# Altium PCB 控制板.PcbDoc (part 2 of 12)
Units mil, origin at the board's own origin, x right, y up, seen from the top; angles counter-clockwise.
Board outline 8150.4 x 2246.9 mil, 6 copper layers (TopLayer, MidLayer1, MidLayer2, MidLayer3, MidLayer4, BottomLayer); 1570 components, 853 nets, 4888 pads, 1859 vias.
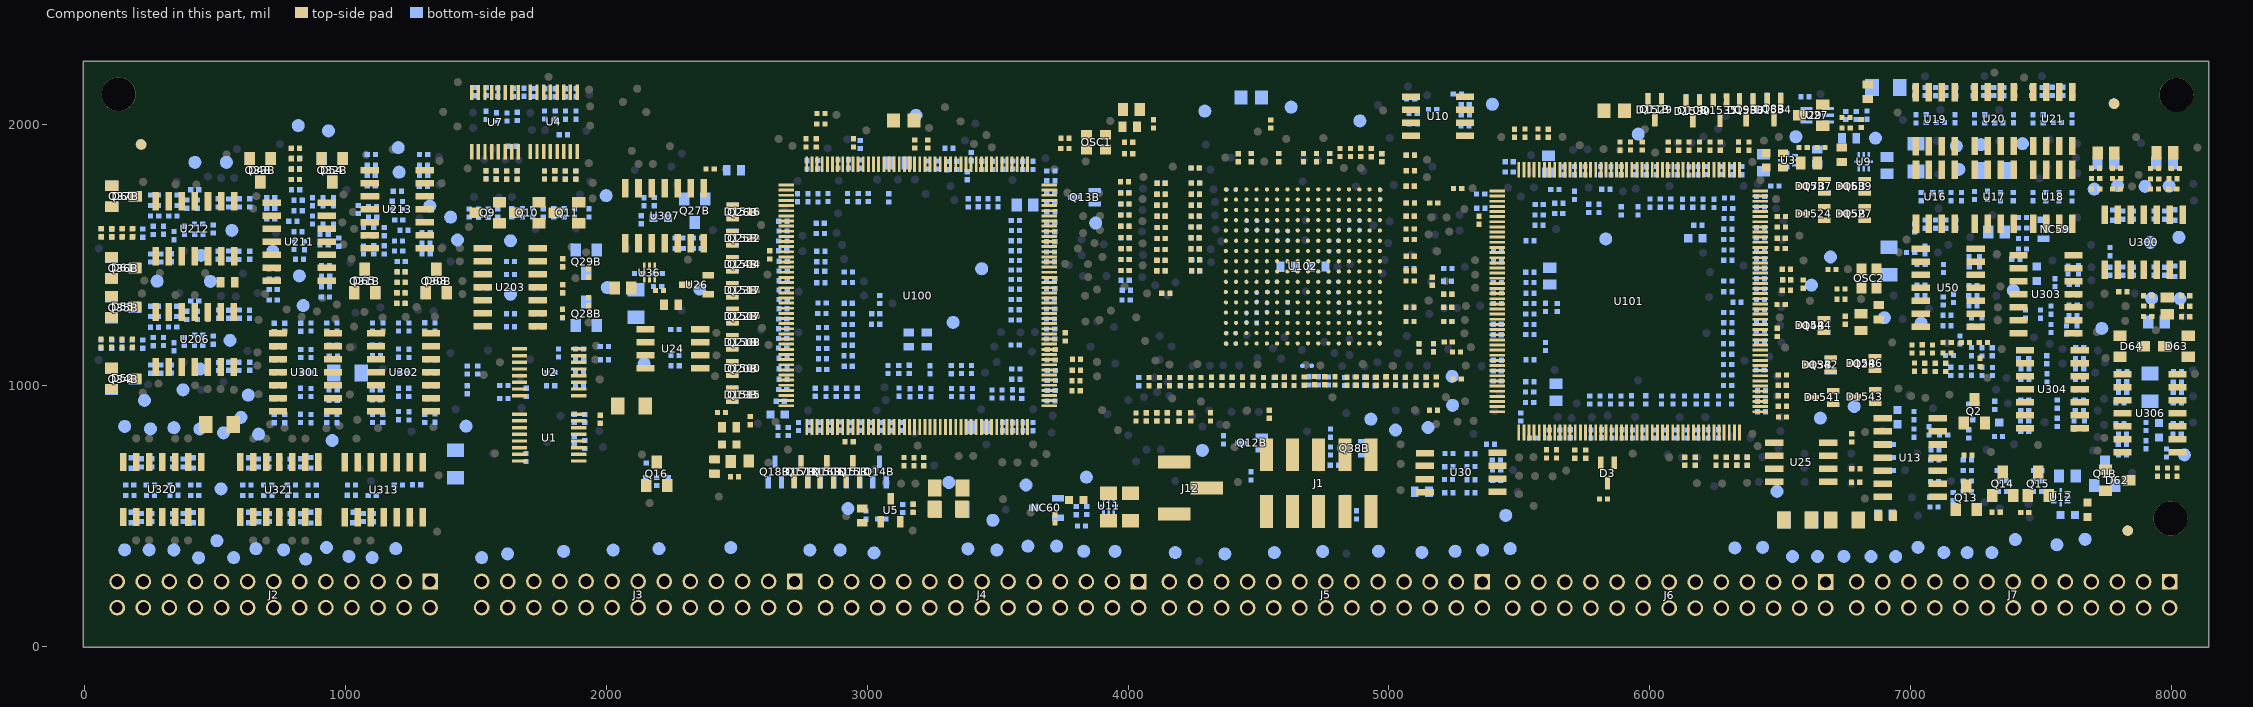
[diagram p6: the components of this part, seen from the top]

## Components (designator, comment, footprint, x,y, rotation, side; value= is the part's Value field where it differs from the comment) (continued)
R508 "4.75K" R0402#1 3583.6,1516.7 r180 bottom
R509 "4.75K" R0402#1 3583.6,1555.5 r180 bottom
R510 "4.75K" R0402#1 3584.4,1594.6 r180 bottom
R511 "4.75K" R0402#1 3583.6,1633 r180 bottom
R512 "4.75K" R0402#1 3403.6,988.4 r270 bottom
R513 "4.75K" R0402#1 3363,988 r270 bottom
R514 "4.75K" R0402#1 3322.8,988.8 r270 bottom
R515 "4.75K" R0402#1 3400.3,1077.1 r270 bottom
R516 "4.75K" R0402#1 3361.1,1076.9 r270 bottom
R517 "4.75K" R0402#1 3321.9,1076.3 r270 bottom
R518 "4.75K" R0402#1 3463.2,1716.3 r270 bottom
R519 "33Ω" R0402#1 3426.1,1716.3 r270 bottom
R520 "33Ω" R0402#1 3387.4,1715.9 r270 bottom
R521 "33Ω" R0402#1 3635.3,1859.6 r270 bottom
R522 "4.75K" R0402#1 3596.1,1860 r270 bottom
R523 "4.75K" R0402#1 3557.8,1860.9 r270 bottom
R524 "33Ω" R0402#1 3520.7,1860.5 r270 bottom
R525 "4.75K" R0402#1 3480.7,1859.6 r270 bottom
R526 "4.75K" R0402#1 3439.2,1859.8 r270 bottom
R527 "4.75K" R0402#1 3383.6,1820 r270 bottom
R528 "4.75K" R0402#1 3399,1893.4 r270 bottom
R529 "4.75K" R0402#1 3343.2,1860 r270 bottom
R530 "4.75K" R0402#1 3305.7,1858.8 r270 bottom
R531 "4.75K" R0402#1 3267.8,1860.9 r270 bottom
R532 "4.75K" R0402#1 3227.4,1861.3 r270 bottom
R533 "4.75K" R0402#1 3298.2,1909.6 r0 bottom
R534 "4.75K" R0402#1 3244.4,956.7 r90 bottom
R535 "4.75K" R0402#1 3204,958 r90 bottom
R536 "4.75K" R0402#1 3164,956.7 r90 bottom
R537 "4.75K" R0402#1 3121.9,959.2 r90 bottom
R538 "4.75K" R0402#1 3240.3,1045 r90 bottom
R539 "4.75K" R0402#1 3161.1,1046.3 r90 bottom
R540 "10K" R0402#1 3079.9,1045.9 r90 bottom
R541 "270Ω" R0402#1 3176.9,513.4 r90 bottom
R542 "2.43K" R0402#1 3136.5,513 r90 bottom
R543 "2K" R0402#1 3071.9,488.8 r180 bottom
R544 "100Ω" R0402#1 3130.3,827.5 r90 bottom
R545 "100Ω" R0402#1 3051.5,827.1 r90 bottom
R546 "100Ω" R0402#1 2932.4,827.1 r90 bottom
R547 "100Ω" R0402#1 2893.6,828.8 r90 bottom
R548 "100Ω" R0402#1 2774.4,828.4 r90 bottom
R549 "100Ω" R0402#1 2736.1,827.5 r90 bottom
R550 "10K" R0402#1 2657.8,808.8 r90 bottom
R551 "100Ω" R0402#1 2881.5,958.4 r90 bottom
R552 "100Ω" R0402#1 2801.1,958.8 r90 bottom
R553 "1K" R0402#1 3048.2,1345.5 r270 bottom
R554 "100Ω" R0402#1 2814,1061.3 r0 bottom
R555 "100Ω" R0402#1 2813.2,1102.5 r0 bottom
R556 "100Ω" R0402#1 2813.6,1142.5 r0 bottom
R557 "100Ω" R0402#1 2813.6,1182.5 r0 bottom
R558 "100Ω" R0402#1 2813.2,1223 r0 bottom
R559 "100Ω" R0402#1 2810.7,1276.7 r0 bottom
R560 "100Ω" R0402#1 2811.5,1316.3 r0 bottom
R561 "100Ω" R0402#1 2806.5,1393.8 r0 bottom
R562 "100Ω" R0402#1 2806.1,1438.4 r0 bottom
R563 "33Ω" R0402#1 2806.9,1474.2 r0 bottom
R564 "2K" R0402#1 2806.9,1515 r0 bottom
R565 "10K" R0402#1 2804.9,1583.4 r0 bottom
R566 "10K" R0402#1 2804.4,1622.1 r0 bottom
R567 "100Ω" R0402#1 2691.9,984.6 r180 bottom
R568 "100Ω" R0402#1 2692.8,1105 r180 bottom
R569 "100Ω" R0402#1 2691.5,1143.4 r180 bottom
R570 "100Ω" R0402#1 2691.5,1218 r180 bottom
R571 "100Ω" R0402#1 2693.2,1330 r180 bottom
R572 "100Ω" R0402#1 2693.4,1365.9 r180 bottom
R573 "33Ω" R0402#1 2693.2,1439.2 r180 bottom
R574 "4.75K" R0402#1 2693.2,1476.7 r180 bottom
R575 "2K" R0402#1 2691.9,1516.7 r180 bottom
R576 "33Ω" R0402#1 2692.4,1553.8 r180 bottom
R577 "10K" R0402#1 2692.8,1592.1 r180 bottom
R578 "10K" R0402#1 2692.4,1630 r180 bottom
R579 "4.75K" R0402#1 3003.6,1736.7 r270 bottom
R580 "10K" R0402#1 2965.3,1735.9 r270 bottom
R581 "4.75K" R0402#1 2924.9,1736.3 r270 bottom
R582 "10K" R0402#1 2849.4,1736.3 r270 bottom
R583 "4.75K" R0402#1 2772.8,1735.5 r270 bottom
R584 "4.75K" R0402#1 2732.4,1735.5 r270 bottom
R585 "4.75K" R0402#1 2973.2,1940 r270 bottom
R586 "4.75K" R0402#1 2928.4,1865.3 r270 bottom
R587 "4.75K" R0402#1 2888.2,1865 r270 bottom
R588 "33Ω" R0402#1 2810.3,1862.5 r270 bottom
R589 "33Ω" R0402#1 2769.4,1861.7 r270 bottom
R590 "10K" R0402#1 2332.8,1525 r0 bottom
R591 "10K" R0402#1 2333.2,1565.5 r0 bottom
R592 "100K" R0402#1 2262.8,1565.5 r0 bottom
R593 "1K" R0402#1 2134,1620 r90 bottom
R594 "10K" R0402#1 2144.4,1689.2 r90 bottom
R595 "2.43K" R0402#1 2237.4,615.5 r90 bottom
R596 "10K" R0402#1 2150.3,615.9 r90 bottom
R597 "10K" R0402#1 2184.4,703.4 r180 bottom
R598 "100Ω" R0402#1 1916.9,789.6 r270 bottom
R599 "100Ω" R0402#1 1916.9,889.2 r270 bottom
R600 "100Ω" R0402#1 1977.4,1099.2 r0 bottom
R601 "100Ω" R0402#1 1976.5,1149.6 r0 bottom
R602 "100Ω" R0402#1 1881.5,999.2 r0 bottom
R603 "100Ω" R0402#1 1770.7,999.2 r0 bottom
R604 "20K" R0402#1 1622.4,950 r180 bottom
R605 "100K" R0402#1 1622.4,1000 r180 bottom
R606 "10K" R0402#1 1831.9,1291.3 r270 bottom
R607 "10K" R0402#1 1832.4,1386.3 r270 bottom
R608 "4.75K" R0402#1 1721.5,1224.2 r0 bottom
R609 "4.75K" R0402#1 1721.5,1275 r0 bottom
R610 "7.5K" R0402#1 1721.5,1375 r0 bottom
R611 "10K" R0402#1 1721.9,1475.9 r0 bottom
R612 "100K" R0402#1 1616.9,1225.5 r0 bottom
R613 "100K" R0402#1 1616.5,1275 r0 bottom
R614 "12.1K" R0402#1 1616.5,1425.5 r0 bottom
R615 "10K" R0402#1 1511.9,1375 r0 bottom
R616 "10K" R0402#1 1511.9,1425.9 r0 bottom
R617 "10K" R0402#1 1512.4,1475.5 r0 bottom
R618 "10K" R0402#1 1511.9,1525.5 r0 bottom
R619 "10K" R0402#1 1877.8,1646.3 r90 bottom
R620 "2.43K" R0402#1 1838.2,1646.7 r90 bottom
R621 "10K" R0402#1 1797.8,1646.7 r90 bottom
R622 "10K" R0402#1 1758.2,1646.3 r90 bottom
R623 "2.43K" R0402#1 1678.6,1646.3 r90 bottom
R624 "10K" R0402#1 1637.4,1647.1 r90 bottom
R625 "10K" R0402#1 1547.4,1645.5 r90 bottom
R626 "2.43K" R0402#1 1509.4,1645.5 r90 bottom
R627 "10K" R0402#1 1474.4,1645.9 r90 bottom
R628 "15K" R0402#1 1883.6,2020.9 r90 bottom
R629 "15K" R0402#1 1843.6,2021.3 r90 bottom
R630 "15K" R0402#1 1803.6,2020.9 r90 bottom
R631 "15K" R0402#1 1763.2,2021.7 r90 bottom
R632 "100Ω" R0402#1 1658.6,2016.3 r90 bottom
R633 "100Ω" R0402#1 1618.6,2014.2 r90 bottom
R634 "100Ω" R0402#1 1578.2,2014.6 r90 bottom
R635 "100Ω" R0402#1 1538.2,2020.5 r90 bottom
R636 "10K" R0402#1 1506.9,1043.8 r90 bottom
R637 "10K" R0402#1 1466.5,968.4 r90 bottom
R638 "10K" R0402#1 1466.5,1044 r90 bottom
R639 "10K" R0402#1 1197.4,509.6 r270 bottom
R640 "6.04K" R0402#1 1106.9,509.2 r270 bottom
R641 "8.2K" R0402#1 1067.8,509.6 r270 bottom
R642 "6.04K" R0402#1 996.1,474.2 r0 bottom
R643 "8.2K" R0402#1 1006.5,579.2 r0 bottom
R644 "4.75K" R0402#1 1006.9,618.4 r0 bottom
R645 "15K" R0402#1 1256.9,619.6 r0 bottom
R646 "100Ω" R0402#1 1297.4,687.5 r90 bottom
R647 "10K" R0402#1 1197.4,688 r90 bottom
R648 "15K" R0402#1 1303.2,858 r90 bottom
R649 "10K" R0402#1 1344,949.6 r180 bottom
R650 "10K" R0402#1 1343.6,1149.2 r180 bottom
R651 "15K" R0402#1 1303.2,1240.5 r270 bottom
R652 "100Ω" R0402#1 1243.2,899.6 r270 bottom
R653 "100Ω" R0402#1 1203.2,900 r270 bottom
R654 "4.75K" R0402#1 1242.4,989.6 r270 bottom
R655 "4.75K" R0402#1 1203.2,990 r270 bottom
R656 "15K" R0402#1 1142.8,889.6 r270 bottom
R657 "10K" R0402#1 1101.9,944.2 r0 bottom
R658 "4.75K" R0402#1 1242.8,1108 r90 bottom
R659 "4.75K" R0402#1 1202.8,1108.4 r90 bottom
R660 "100Ω" R0402#1 1243.2,1208.8 r90 bottom
R661 "100Ω" R0402#1 1202.8,1208.8 r90 bottom
R662 "15K" R0402#1 1143.2,1239.6 r270 bottom
R663 "10K" R0402#1 1102.4,1155 r0 bottom
R664 "10K" R0402#1 1292.8,1545.9 r0 bottom
R665 "10K" R0402#1 1197.4,1314.6 r0 bottom
R666 "10K" R0402#1 1197.8,1355 r0 bottom
R667 "10K" R0402#1 1197.8,1435 r0 bottom
R668 "10K" R0402#1 1197.8,1475.5 r0 bottom
R669 "10K" R0402#1 1187.8,1515.5 r0 bottom
R670 "10K" R0402#1 1208.2,1595 r0 bottom
R671 "100K" R0402#1 1282.8,1764.2 r0 bottom
R672 "4.75K" R0402#1 1283.6,1805 r0 bottom
R673 "4.75K" R0402#1 1283.2,1845 r0 bottom
R674 "100K" R0402#1 1283.6,1885.5 r0 bottom
R675 "10K" R0402#1 1178.6,1675 r90 bottom
R676 "10K" R0402#1 1069,1504.2 r90 bottom
R677 "10K" R0402#1 1068.6,1574.2 r90 bottom
R678 "10K" R0402#1 1119.4,1645 r180 bottom
R679 "10K" R0402#1 1088.6,1725.5 r0 bottom
R680 "100K" R0402#1 1082.8,1765.5 r0 bottom
R681 "4.75K" R0402#1 1082.8,1805.5 r0 bottom
R682 "4.75K" R0402#1 1083.2,1845.9 r0 bottom
R683 "100K" R0402#1 1083.2,1886.3 r0 bottom
R684 "10K" R0402#1 1048.6,1659.2 r90 bottom
R685 "100Ω" R0402#1 997.4,688 r90 bottom
R686 "6.04K" R0402#1 898.2,473.4 r180 bottom
R687 "8.2K" R0402#1 827.4,508.8 r270 bottom
R688 "6.04K" R0402#1 787.4,508.8 r270 bottom
R689 "6.04K" R0402#1 707.4,509.6 r270 bottom
R690 "8.2K" R0402#1 666.9,509.2 r270 bottom
R691 "6.04K" R0402#1 596.5,474.2 r0 bottom
R692 "8.2K" R0402#1 856.9,578.8 r0 bottom
R693 "8.2K" R0402#1 856.5,618.8 r0 bottom
R694 "6.04K" R0402#1 866.5,723.8 r0 bottom
R695 "8.2K" R0402#1 827.4,688 r90 bottom
R696 "6.04K" R0402#1 787.4,687.5 r90 bottom
R697 "6.04K" R0402#1 706.5,688 r90 bottom
R698 "8.2K" R0402#1 666.5,687.5 r90 bottom
R699 "8.2K" R0402#1 636.9,578.6 r180 bottom
R700 "8.2K" R0402#1 637.4,618.4 r180 bottom
R701 "6.04K" R0402#1 627.8,723.4 r180 bottom
R702 "6.04K" R0402#1 447.4,473.8 r180 bottom
R703 "8.2K" R0402#1 437.4,578.8 r180 bottom
R704 "8.2K" R0402#1 437.4,618.8 r180 bottom
R705 "6.04K" R0402#1 415.7,723.4 r0 bottom
R706 "8.2K" R0402#1 376.5,478.4 r90 bottom
R707 "6.04K" R0402#1 336.9,477.5 r90 bottom
R708 "6.04K" R0402#1 257.1,478.4 r90 bottom
R709 "8.2K" R0402#1 217.4,478.4 r90 bottom
R710 "6.04K" R0402#1 177.8,473.8 r180 bottom
R711 "8.2K" R0402#1 188.6,578.4 r180 bottom
R712 "8.2K" R0402#1 188.2,618.4 r180 bottom
R713 "8.2K" R0402#1 376.5,718.8 r270 bottom
R714 "6.04K" R0402#1 336.9,719.2 r270 bottom
R715 "6.04K" R0402#1 256.9,719.2 r270 bottom
R716 "8.2K" R0402#1 216.9,719.2 r270 bottom
R717 "6.04K" R0402#1 146.9,723.4 r0 bottom
R718 "10K" R0402#1 968.2,943.8 r180 bottom
R719 "15K" R0402#1 927.8,889.2 r270 bottom
R720 "100Ω" R0402#1 867.8,888.8 r270 bottom
R721 "100Ω" R0402#1 827.4,889.6 r270 bottom
R722 "15K" R0402#1 766.9,888.8 r270 bottom
R723 "4.75K" R0402#1 867.8,988.8 r270 bottom
R724 "4.75K" R0402#1 827.4,989.6 r270 bottom
R725 "10K" R0402#1 726.5,948.8 r0 bottom
R726 "10K" R0402#1 936.9,1154.2 r0 bottom
R727 "4.75K" R0402#1 867.8,1107.5 r90 bottom
R728 "4.75K" R0402#1 827.8,1107.5 r90 bottom
R729 "15K" R0402#1 927.8,1208.4 r90 bottom
R730 "100Ω" R0402#1 867.4,1208.8 r90 bottom
R731 "100Ω" R0402#1 827.8,1208 r90 bottom
R732 "15K" R0402#1 766.9,1208 r90 bottom
R733 "10K" R0402#1 757.8,1148.8 r180 bottom
R734 "100K" R0402#1 632.4,1089.6 r270 bottom
R735 "4.75K" R0402#1 591.9,1089.2 r270 bottom
R736 "4.75K" R0402#1 551.9,1089.6 r270 bottom
R737 "100K" R0402#1 512.4,1088.8 r270 bottom
R738 "100K" R0402#1 906.9,1339.6 r0 bottom
R739 "4.75K" R0402#1 907.4,1378.8 r0 bottom
R740 "4.75K" R0402#1 907.8,1419.6 r0 bottom
R741 "100K" R0402#1 907.4,1459.6 r0 bottom
R742 "10K" R0402#1 902.8,1499.6 r0 bottom
R743 "10K" R0402#1 973.6,1534.2 r90 bottom
R744 "7.5K" R0402#1 953.2,1650.5 r270 bottom
R745 "7.5K" R0402#1 953.2,1720.5 r270 bottom
R746 "10K" R0402#1 902.4,1580 r0 bottom
R747 "12.1K" R0402#1 873.6,1619.2 r90 bottom
R748 "12.1K" R0402#1 873.6,1689.2 r90 bottom
R749 "7.5K" R0402#1 842.4,1520.9 r90 bottom
R750 "12K" R0402#1 833.2,1590 r180 bottom
R751 "10K" R0402#1 813.6,1630 r180 bottom
R752 "10K" R0402#1 834,1710 r180 bottom
R753 "10K" R0402#1 824,1750.5 r180 bottom
R754 "10K" R0402#1 823.6,1790 r180 bottom
R755 "10K" R0402#1 824,1871.3 r180 bottom
R756 "10K" R0402#1 823.6,1910.9 r180 bottom
R757 "100K" R0402#1 738.2,1328 r180 bottom
R758 "4.75K" R0402#1 738.2,1368.4 r180 bottom
R759 "4.75K" R0402#1 738.2,1408.4 r180 bottom
R760 "100K" R0402#1 737.8,1448 r180 bottom
R761 "7.5K" R0402#1 728.6,1679.6 r180 bottom
R762 "12.1K" R0402#1 728.6,1720.5 r180 bottom
R763 "100K" R0402#1 631.9,1288.8 r270 bottom
R764 "4.75K" R0402#1 592.4,1289.2 r270 bottom
R765 "4.75K" R0402#1 552.4,1288.8 r270 bottom
R766 "100K" R0402#1 512.4,1289.2 r270 bottom
R767 "10K" R0402#1 472.4,1284.6 r270 bottom
R768 "7.5K" R0402#1 421.5,1193.8 r0 bottom
R769 "12.1K" R0402#1 381.9,1153 r90 bottom
R770 "10K" R0402#1 341.9,1133 r90 bottom
R771 "7.5K" R0402#1 292.4,1047.5 r90 bottom
R772 "12.1K" R0402#1 252.4,1047.5 r90 bottom
R773 "10K" R0402#1 262.4,1152.8 r90 bottom
R774 "10K" R0402#1 222.4,1143 r90 bottom
R775 "10K" R0402#1 182.4,1143.4 r90 bottom
R776 "10K" R0402#1 103.2,1143 r90 bottom
R777 "10K" R0402#1 62.8,1143 r90 bottom
R778 "10K" R0402#1 406.1,1323.8 r0 bottom
R779 "10K" R0402#1 391.5,1253.4 r90 bottom
R780 "12.1K" R0402#1 352.4,1224.2 r180 bottom
R781 "12.1K" R0402#1 282.8,1223.4 r180 bottom
R782 "7.5K" R0402#1 352.8,1304.2 r180 bottom
R783 "7.5K" R0402#1 282.8,1304.2 r180 bottom
R784 "100K" R0402#1 632.4,1515 r270 bottom
R785 "4.75K" R0402#1 591.9,1514.6 r270 bottom
R786 "4.75K" R0402#1 552.4,1515.5 r270 bottom
R787 "100K" R0402#1 511.9,1515 r270 bottom
R788 "100K" R0402#1 632.4,1715.9 r270 bottom
R789 "4.75K" R0402#1 592.4,1715.9 r270 bottom
R790 "4.75K" R0402#1 552.4,1715.5 r270 bottom
R791 "100K" R0402#1 511.9,1715.9 r270 bottom
R792 "10K" R0402#1 472.4,1710.5 r270 bottom
R793 "10K" R0402#1 421.1,1619.6 r0 bottom
R794 "10K" R0402#1 437.4,1750.9 r180 bottom
R795 "10K" R0402#1 391.9,1710.9 r270 bottom
R796 "10K" R0402#1 322.4,1730.9 r0 bottom
R797 "10K" R0402#1 251.9,1730.9 r0 bottom
R798 "10K" R0402#1 341.9,1559.2 r90 bottom
R799 "10K" R0402#1 292.4,1473.4 r90 bottom
R800 "10K" R0402#1 262.8,1579.6 r90 bottom
R801 "10K" R0402#1 222.8,1568.8 r90 bottom
R802 "10K" R0402#1 182.4,1568.8 r90 bottom
R803 "10K" R0402#1 103.6,1568.4 r90 bottom
R804 "10K" R0402#1 63.6,1569.6 r90 bottom
TP1 "" SMD1#2 2476.9,378.8 r0 bottom
TP2 "" SMD1#2 2780.3,369.2 r0 bottom
TP3 "" SMD1#2 2144.9,1083.8 r0 bottom
TP4 "" SMD1#2 2896.1,369.6 r0 bottom
TP5 "" SMD1#2 4181.1,359.6 r0 bottom
TP6 "" SMD1#2 3026.1,358.4 r0 bottom
TP7 "" SMD1#2 4371.1,354.6 r0 bottom
TP8 "" SMD1#2 5396.9,2078.4 r0 bottom
TP9 "" SMD1#2 4960.3,364.6 r0 bottom
TP10 "" SMD1#2 4561.1,359.6 r0 bottom
TP11 "" SMD1#2 3609,618.8 r0 bottom
TP12 "" SMD1#2 5359.4,369.2 r0 bottom
TP13 "" SMD1#2 4746.1,363.8 r0 bottom
TP14 "" SMD1#2 6488.2,594.2 r0 bottom
TP15 "" SMD1#2 7919,1549.2 r0 bottom
TP16 "" SMD1#2 2926.1,528.4 r0 bottom
TP17 "" SMD1#2 5254.4,364.6 r0 bottom
TP18 "" SMD1#2 6784,919.6 r0 bottom
TP19 "" SMD1#2 6560.3,1953.8 r0 bottom
TP20 "" SMD1#2 6865.7,1948.8 r0 bottom
TP21 "" SMD1#2 8050.3,734.2 r0 bottom
TP22 "" SMD1#2 6848.6,344.6 r0 bottom
TP23 "" SMD1#2 6943.2,344.6 r0 bottom
TP24 "" SMD1#2 6654.4,875 r0 bottom
TP25 "" SMD1#2 3875.7,1623 r0 bottom
TP26 "" SMD1#2 5448.2,502.5 r0 bottom
TP27 "" SMD1#2 1621.1,354.6 r0 bottom
TP28 "" SMD1#2 1836.1,364.2 r0 bottom
TP29 "" SMD1#2 2201.5,374.6 r0 bottom
TP30 "" SMD1#2 2026.1,369.2 r0 bottom
TP31 "" SMD1#2 6433.2,379.6 r0 bottom
TP32 "" SMD1#2 822.8,1420.5 r0 bottom
TP33 "" SMD1#2 837.4,1306.7 r0 bottom
TP34 "" SMD1#2 5244.4,924.2 r0 bottom
TP35 "" SMD1#2 1402.8,1645.5 r0 bottom
TP36 "" SMD1#2 1323.2,1688.4 r0 bottom
TP37 "" SMD1#2 1205.3,1818 r0 bottom
TP38 "" SMD1#2 4625.3,2067.5 r0 bottom
TP39 "" SMD1#2 5025.7,829.4 r0 bottom
TP40 "" SMD1#2 6744.4,345 r0 bottom
TP41 "" SMD1#2 5242.4,1035 r0 bottom
TP42 "" SMD1#2 5465.3,374.6 r0 bottom
TP43 "" SMD1#2 5150.3,839.2 r0 bottom
TP44 "" SMD1#2 2357.4,1370 r0 bottom
TP45 "" SMD1#2 3186.9,2035.9 r0 bottom
TP46 "" SMD1#2 7561.1,389.6 r0 bottom
TP47 "" SMD1#2 556.9,1173 r0 bottom
TP48 "" SMD1#2 599,878 r0 bottom
TP49 "" SMD1#2 376.9,983.4 r0 bottom
TP50 "" SMD1#2 626.9,963.4 r0 bottom
TP51 "" SMD1#2 720.7,1514.6 r0 bottom
TP52 "" SMD1#2 531.9,818.8 r0 bottom
TP53 "" SMD1#2 4284.9,751.7 r0 bottom
TP54 "" SMD1#2 4931.1,871.3 r0 bottom
TP55 "" SMD1#2 1999,1728 r0 bottom
TP58 "" SMD1#2 481.5,1399.6 r0 bottom
TP59 "" SMD1#2 446.1,1499.2 r0 bottom
TP60 "" SMD1#2 564,1595 r0 bottom
TP61 "" SMD1#2 543.2,1855.9 r0 bottom
TP64 "" SMD1#2 1201.9,1912.1 r0 bottom
TP150 "" SMD1#2 7429.4,1927.5 r0 bottom
TP151 "" SMD1#2 7269.9,1923.4 r0 bottom
TP152 "" SMD1#2 7175.7,1918 r0 bottom
TP153 "" SMD1#2 7185.3,1828.8 r0 bottom
TP191 "" SMD1#2 3329.4,1242.1 r0 bottom
TP204 "" SMD1#2 1521.9,340 r0 bottom
TP209 "" SMD1#2 846.9,334.6 r0 bottom
TP213 "" SMD1#2 7394,1364.6 r0 bottom
TP214 "" SMD1#2 7040.7,1239.6 r0 bottom
TP277 "" SMD1#2 7991.5,1764.6 r0 bottom
TP278 "" SMD1#2 7899.4,1763.4 r0 bottom
TP279 "" SMD1#2 7704.4,1753 r0 bottom
TP280 "" SMD1#2 7794.4,1766.3 r0 bottom
TP281 "" SMD1#2 8033.4,1333 r0 bottom
TP282 "" SMD1#2 7924.4,1333.8 r0 bottom
TP294 "" SMD1#2 229,943 r0 bottom
TP316 "" SMD1#2 6693.2,1493 r0 bottom
TP317 "" SMD1#2 8029,1568.4 r0 bottom
TP318 "" SMD1#2 4294.4,2052.1 r0 bottom
TP319 "" SMD1#2 6620.3,1385 r0 bottom
TP500 "" SMD1#2 1101.9,340 r0 bottom
TP501 "" SMD1#2 1192.4,374.6 r0 bottom
TP502 "" SMD1#2 1012.4,345 r0 bottom
TP503 "" SMD1#2 926.9,379.2 r0 bottom
TP504 "" SMD1#2 341.9,838.4 r0 bottom
TP505 "" SMD1#2 442.4,1063.4 r0 bottom
TP506 "" SMD1#2 251.9,833.8 r0 bottom
TP507 "" SMD1#2 762.4,370 r0 bottom
TP508 "" SMD1#2 656.3,374.6 r0 bottom
TP510 "" SMD1#2 571.1,340 r0 bottom
TP511 "" SMD1#2 436.5,339.6 r0 bottom
TP512 "" SMD1#2 152.8,369.8 r0 bottom
TP513 "" SMD1#2 246.9,370 r0 bottom
TP514 "" SMD1#2 506.5,405 r0 bottom
TP515 "" SMD1#2 948.6,789.2 r0 bottom
TP516 "" SMD1#2 666.5,813.4 r0 bottom
TP517 "" SMD1#2 341.9,369.6 r0 bottom
TP1100 "" SMD1#2 5126.5,360.5 r0 bottom
TP1101 "" SMD1#2 3950.3,364.2 r0 bottom
TP1102 "" SMD1#2 1461.9,844.2 r0 bottom
TP1103 "" SMD1#2 3313.2,628.4 r0 bottom
TP1104 "" SMD1#2 3840.3,648.8 r0 bottom
TP1105 "" SMD1#2 3616.1,384.2 r0 bottom
TP1106 "" SMD1#2 5831.5,1562.1 r0 bottom
TP1107 "" SMD1#2 3481.5,483.4 r0 bottom
TP1120 "" SMD1#2 6643.4,344.4 r0 bottom
TP1121 "" SMD1#2 6547.8,344.6 r0 bottom
TP1122 "" SMD1#2 3830.3,364.6 r0 bottom
TP1123 "" SMD1#2 3496.9,369.2 r0 bottom
TP1124 "" SMD1#2 3726.1,384.2 r0 bottom
TP1125 "" SMD1#2 3386.1,373.8 r0 bottom
TP1202 "" SMD1#2 1632.4,1350 r0 bottom
TP1203 "" SMD1#2 1632.4,1555 r0 bottom
TP1500 "" SMD1#2 5956.1,1963.8 r0 bottom
TP1502 "" SMD1#2 7028.6,379.6 r0 bottom
TP1503 "" SMD1#2 7127.8,360 r0 bottom
TP1504 "" SMD1#2 7217.4,359.6 r0 bottom
TP1505 "" SMD1#2 7401.9,409.6 r0 bottom
TP1506 "" SMD1#2 7311.9,359.6 r0 bottom
TP1507 "" SMD1#2 153.2,843.4 r0 bottom
TP1508 "" SMD1#2 277.4,1400 r0 bottom
TP1509 "" SMD1#2 441.1,833.4 r0 bottom
TP1510 "" SMD1#2 422.4,1855.9 r0 bottom
TP1511 "" SMD1#2 1429,1558 r0 bottom
TP1512 "" SMD1#2 934.4,1976.3 r0 bottom
TP1513 "" SMD1#2 522.4,603.8 r0 bottom
TP1514 "" SMD1#2 818.6,1996.7 r0 bottom
TP1515 "" SMD1#2 2003.2,1375.5 r0 bottom
TP1516 "" SMD1#2 6899.9,1260 r0 bottom
TP1517 "" SMD1#2 7669.4,410.5 r0 bottom
TP1518 "" SMD1#2 7733.6,1219.2 r0 bottom
TP1520 "" SMD1#2 6326.5,377.5 r0 bottom
TP1521 "" SMD1#2 3439,1447.8 r0 bottom
TP1522 "" SMD1#2 4889,2014.6 r0 bottom
U1 "74HC4051D" SOP16 1666.5,890 r90 top
U2 "74HC4051D" SOP16 1666.5,1140.5 r90 top
U3 "NC" SOP8 6556.9,1883.6 r180 bottom
U4 "74HC4051D" SOP16 1887.8,2124.6 r0 top
U5 "TL431BQDBZR" "SOT23-3 - duplicate" 3052.8,477.5 r0 top
U7 "74HC4051D" SOP16 1662.8,2123.8 r0 top
U9 "12" SOP8 6801.1,1884.8 r270 bottom
U10 "STM706RM6F" "SOP8 - duplicate"#1 5291.9,1958 r270 top
U11 "30" SOP8 3906.1,565.5 r270 bottom
U12 "30" SOP8 7549,552.1 r0 bottom
U13 "NC" SOP14 7104.4,574.2 r90 top
U16 "LM211DT" "SOP8 - duplicate"#1 7021.1,1620.5 r180 top
U17 "LM211DT" "SOP8 - duplicate"#1 7395.3,1827.1 r0 top
U18 "LM211DT" "SOP8 - duplicate"#1 7619.4,1827.1 r0 top
U19 "LM211DT" "SOP8 - duplicate"#1 7170.3,2124.2 r0 top
U20 "LM211DT" "SOP8 - duplicate"#1 7395.3,2125.5 r0 top
U21 "LM211DT" "SOP8 - duplicate"#1 7619.9,2125.5 r0 top
U24 "M24128-BWMN6TP" "SOP8 - duplicate"#2 2149.9,1215.9 r90 top
U25 "M24128-BWMN6TP" "SOP8 - duplicate"#1 6477.8,780.5 r90 top
U26 "N" "SOT23-3 - duplicate" 2390.1,1349.2 r90 top
U27 "NC" SOT23-5 6682.8,2061.7 r180 bottom
U29 "LM4040AIM3-2.5" SOT23-3 6663.6,1996.7 r90 top
U30 "NC" "SOP8 - duplicate"#3 5416.5,592.5 r270 top
U36 "30" SOP8 2184.9,1459.8 r270 top
U50 "LM2901DR" SOP14 7039.4,1524.6 r270 top
U100 "STM32F745IET7" SOP176 2689,1768.8 r0 top
U101 "STM32F745IET7" SOP176 6424,899.6 r180 top
U102 "EF2L45BG256H" BGA256x16 4965.5,1161.5 r180 top
U203 "LM2901DR" SOP14 1736.9,1226.7 r90 top
U206 "LM2901DR" SOP14 571.9,1282.1 r180 top
U211 "LM2901DR" SOP14 927.4,1401.3 r90 top
U212 "LM2901DR" SOP14 572.4,1706.3 r180 top
U213 "LM2901DR" SOP14 1093.2,1825.5 r270 top
U300 "TS9224IDT" SOP14 7744.4,1444.2 r0 top
U301 "TL084AIDR" SOP14 740.7,1200.9 r270 top
U302 "TL084AIDR" SOP14 1116.9,1201.3 r270 top
U303 "TL084AIDR" SOP14 7414.4,1499.6 r270 top
U304 "TL084AIDR" SOP14 7438.6,1135 r270 top
U306 "TL084AIDR" SOP14 8024,744.2 r90 top
U307 "TL084AIDR" SOP14 2372.8,1756.7 r180 top
U313 "TL084AIDR" SOP14 996.5,495 r0 top
U320 "TL084AIDR" SOP14 146.9,496.3 r0 top
U321 "TL084AIDR" SOP14 595.7,495.9 r0 top

## Footprints (in the part's own frame and the unit in brackets; to place one, negate y for a bottom-side part, rotate by r counter-clockwise, add the part's x,y. Pads: shape width x height; smd on the part's side, far side on the other; paste and mask are expansions set on the pad)
BGA256x16 [mil]
  round 16 smd: A1(0,0) A2(39.37,0) A3(78.74,0) A4(118.11,0) A5(157.48,0) A6(196.85,0) A7(236.22,0) A8(275.59,0) A9(314.96,0) A10(354.33,0) A11(393.7,0) A12(433.07,0) A13(472.44,0) A14(511.81,0) A15(551.18,0) A16(590.55,0) B1(0,-39.37) B2(39.37,-39.37) B3(78.74,-39.37) B4(118.11,-39.37) B5(157.48,-39.37) B6(196.85,-39.37) B7(236.22,-39.37) B8(275.59,-39.37) B9(314.96,-39.37) B10(354.33,-39.37) B11(393.7,-39.37) B12(433.07,-39.37) B13(472.44,-39.37) B14(511.81,-39.37) B15(551.18,-39.37) B16(590.55,-39.37) C1(0,-78.74) C2(39.37,-78.74) C3(78.74,-78.74) C4(118.11,-78.74) C5(157.48,-78.74) C6(196.85,-78.74) C7(236.22,-78.74) C8(275.59,-78.74) C9(314.96,-78.74) C10(354.33,-78.74) C11(393.7,-78.74) C12(433.07,-78.74) C13(472.44,-78.74) C14(511.81,-78.74) C15(551.18,-78.74) C16(590.55,-78.74) D1(0,-118.11) D2(39.37,-118.11) D3(78.74,-118.11) D4(118.11,-118.11) D5(157.48,-118.11) D6(196.85,-118.11) D7(236.22,-118.11) D8(275.59,-118.11) D9(314.96,-118.11) D10(354.33,-118.11) D11(393.7,-118.11) D12(433.07,-118.11) D13(472.44,-118.11) D14(511.81,-118.11) D15(551.18,-118.11) D16(590.55,-118.11) E1(0,-157.48) E2(39.37,-157.48) E3(78.74,-157.48) E4(118.11,-157.48) E5(157.48,-157.48) E6(196.85,-157.48) E7(236.22,-157.48) E8(275.59,-157.48) E9(314.96,-157.48) E10(354.33,-157.48) E11(393.7,-157.48) E12(433.07,-157.48) E13(472.44,-157.48) E14(511.81,-157.48) E15(551.18,-157.48) E16(590.55,-157.48) F1(0,-196.85) F2(39.37,-196.85) F3(78.74,-196.85) F4(118.11,-196.85) F5(157.48,-196.85) F6(196.85,-196.85) F7(236.22,-196.85) F8(275.59,-196.85) F9(314.96,-196.85) F10(354.33,-196.85) F11(393.7,-196.85) F12(433.07,-196.85) F13(472.44,-196.85) F14(511.81,-196.85) F15(551.18,-196.85) F16(590.55,-196.85) G1(0,-236.22) G2(39.37,-236.22) G3(78.74,-236.22) G4(118.11,-236.22) G5(157.48,-236.22) G6(196.85,-236.22) G7(236.22,-236.22) G8(275.59,-236.22) G9(314.96,-236.22) G10(354.33,-236.22) G11(393.7,-236.22) G12(433.07,-236.22) G13(472.44,-236.22) G14(511.81,-236.22) G15(551.18,-236.22) G16(590.55,-236.22) H1(0,-275.59) H2(39.37,-275.59) H3(78.74,-275.59) H4(118.11,-275.59) H5(157.48,-275.59) H6(196.85,-275.59) H7(236.22,-275.59) H8(275.59,-275.59) H9(314.96,-275.59) H10(354.33,-275.59) H11(393.7,-275.59) H12(433.07,-275.59) H13(472.44,-275.59) H14(511.81,-275.59) H15(551.18,-275.59) H16(590.55,-275.59) J1(0,-314.96) J2(39.37,-314.96) J3(78.74,-314.96) J4(118.11,-314.96) J5(157.48,-314.96) J6(196.85,-314.96) J7(236.22,-314.96) J8(275.59,-314.96) J9(314.96,-314.96) J10(354.33,-314.96) J11(393.7,-314.96) J12(433.07,-314.96) J13(472.44,-314.96) J14(511.81,-314.96) J15(551.18,-314.96) J16(590.55,-314.96) K1(0,-354.33) K2(39.37,-354.33) K3(78.74,-354.33) K4(118.11,-354.33) K5(157.48,-354.33) K6(196.85,-354.33) K7(236.22,-354.33) K8(275.59,-354.33) K9(314.96,-354.33) K10(354.33,-354.33) K11(393.7,-354.33) K12(433.07,-354.33) K13(472.44,-354.33) K14(511.81,-354.33) K15(551.18,-354.33) K16(590.55,-354.33) L1(0,-393.7) L2(39.37,-393.7) L3(78.74,-393.7) L4(118.11,-393.7) L5(157.48,-393.7) L6(196.85,-393.7) L7(236.22,-393.7) L8(275.59,-393.7) L9(314.96,-393.7) L10(354.33,-393.7) L11(393.7,-393.7) L12(433.07,-393.7) L13(472.44,-393.7) L14(511.81,-393.7) L15(551.18,-393.7) L16(590.55,-393.7) M1(0,-433.07) M2(39.37,-433.07) M3(78.74,-433.07) M4(118.11,-433.07) M5(157.48,-433.07) M6(196.85,-433.07) M7(236.22,-433.07) M8(275.59,-433.07) M9(314.96,-433.07) M10(354.33,-433.07) M11(393.7,-433.07) M12(433.07,-433.07) M13(472.44,-433.07) M14(511.81,-433.07) M15(551.18,-433.07) M16(590.55,-433.07) N1(0,-472.44) N2(39.37,-472.44) N3(78.74,-472.44) N4(118.11,-472.44) N5(157.48,-472.44) N6(196.85,-472.44) N7(236.22,-472.44) N8(275.59,-472.44) N9(314.96,-472.44) N10(354.33,-472.44) N11(393.7,-472.44) N12(433.07,-472.44) N13(472.44,-472.44) N14(511.81,-472.44) N15(551.18,-472.44) N16(590.55,-472.44) P1(0,-511.81) P2(39.37,-511.81) P3(78.74,-511.81) P4(118.11,-511.81) P5(157.48,-511.81) P6(196.85,-511.81) P7(236.22,-511.81) P8(275.59,-511.81) P9(314.96,-511.81) P10(354.33,-511.81) P11(393.7,-511.81) P12(433.07,-511.81) P13(472.44,-511.81) P14(511.81,-511.81) P15(551.18,-511.81) P16(590.55,-511.81) R1(0,-551.18) R2(39.37,-551.18) R3(78.74,-551.18) R4(118.11,-551.18) R5(157.48,-551.18) R6(196.85,-551.18) R7(236.22,-551.18) R8(275.59,-551.18) R9(314.96,-551.18) R10(354.33,-551.18) R11(393.7,-551.18) R12(433.07,-551.18) R13(472.44,-551.18) R14(511.81,-551.18) R15(551.18,-551.18) R16(590.55,-551.18) T1(0,-590.55) T2(39.37,-590.55) T3(78.74,-590.55) T4(118.11,-590.55) T5(157.48,-590.55) T6(196.85,-590.55) T7(236.22,-590.55) T8(275.59,-590.55) T9(314.96,-590.55) T10(354.33,-590.55) T11(393.7,-590.55) T12(433.07,-590.55) T13(472.44,-590.55) T14(511.81,-590.55) T15(551.18,-590.55) T16(590.55,-590.55)